# Altium PCB Dahlia Carrier Board.PcbDoc (part 7 of 10)
Units mm, origin at the board's own origin, x right, y up, seen from the top; angles counter-clockwise.
Board outline 120 x 120 mm, 6 copper layers (Top Layer, GND, Layer 1, Layer 2, GND2, Bottom Layer), stack 1.558 mm thick; 879 components, 677 nets, 3194 pads, 1445 vias.
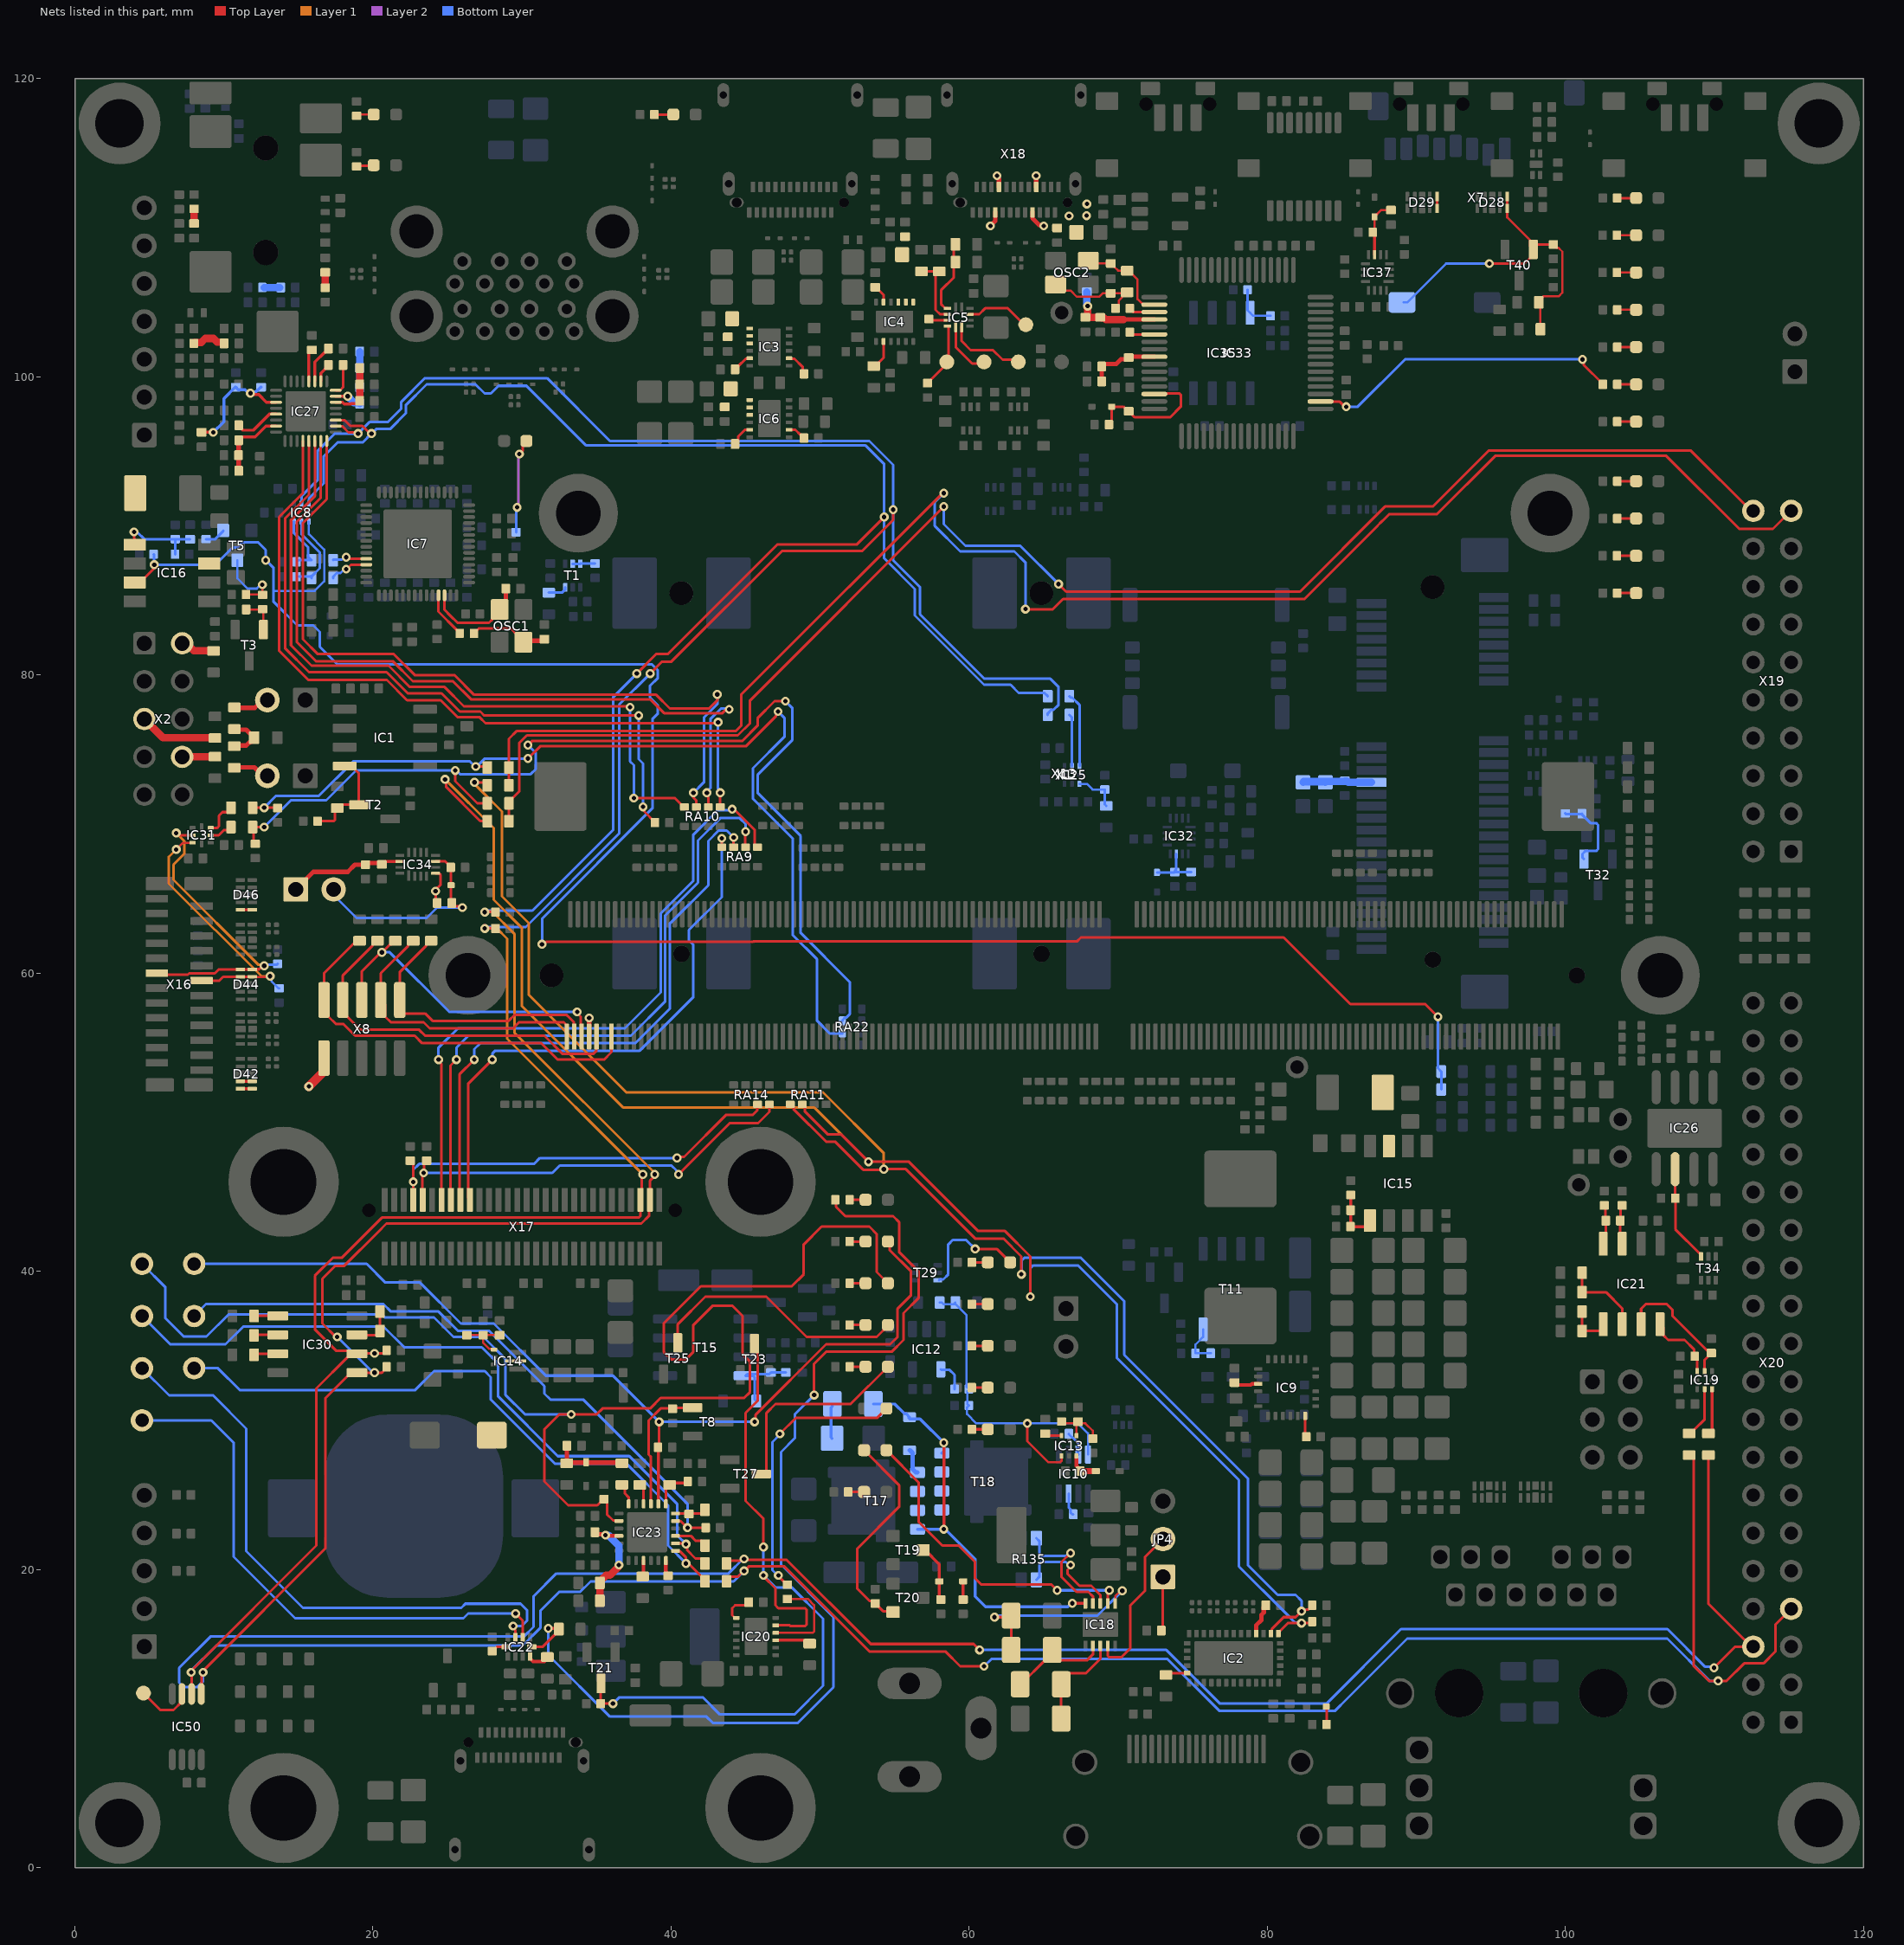
[diagram p11: the nets of this part, all layers, seen from the top]

## Via types
v1: diameter 0.6, hole 0.3, Top Layer to Bottom Layer, tented both sides, 1316 vias
v2: diameter 0.6/0/0/0/0/0.6 (per signal layer), hole 0.3, Top Layer to Bottom Layer, tented both sides, 70 vias
v3: diameter 0.6, hole 0.3, Top Layer to Bottom Layer, 58 vias
v4: diameter 0.6/0.6/0.6/0.6/0.6/0.6 (per signal layer), hole 0.3, Top Layer to Bottom Layer, tented both sides, 1 vias

## Nets (pads, with @x,y where several pads share a name; then routed paths per layer and width w, separated by ;. In a path a pad name is that pad's centre, name@x,y a point inside that pad or via, vN(x,y) a via of type N, cw(c..) or ccw(c..) an arc to the next point about the centre after c; other vN are vias at no path point) (continued)
HUB_PWR_EN: IC8.5 IC16.7 R61.2 R64.2 R110.2 | length 140.6
  Top Layer w0.175: IC16.7@4.016,86.209 4.366,86.209 5.325,87.168 v1(5.325,87.4) ; v1(31.344,61.938) 31.459,61.938 31.616,62.094 45.506,62.094 45.537,62.125 67.225,62.125 67.502,62.402 81.098,62.402 85.577,57.923 90.602,57.923 v1(91.45,57.075)
  Bottom Layer w0.15: 13.314,85.65 16.093,85.65 16.727,86.284 16.727,88.423 15.7,89.45 IC8.5@15.7,90.295
  Bottom Layer w0.175: R110.2@5.28,88.1 5.325,88.055 v1(5.325,87.4) 9.414,87.4 10.562,88.548 10.874,88.548 11.24,88.915 12.277,88.915 12.8,88.391 v1(12.8,87.7) ; v1@12.8,87.725 13.314,87.211 13.314,85.65 13.314,84.936 14.925,83.325 15.991,83.325 16.425,82.891 16.425,81.9 17.615,80.71 38.717,80.71 39.114,80.313 39.114,79.8 38.575,79.26 38.575,78.5 39.114,77.961 39.114,77.415 38.75,77.05 38.75,71.057 31.344,63.651 v1(31.344,61.938) ; v1(91.45,57.075) 91.45,53.625 R61.2@91.675,53.4 R64.2@91.675,52.2
I2C_1_SCL: IC8.2 IC27.2 IC30.6 IC50.2 R117.2 R145.1 R177.1 R210.1 R263.2 X17.6 X20.7 | length 342.5
  Top Layer w0.175: v1(7.8,13.1) v1@7.831,13.131 ; IC50.2@7.831,11.648 v1@7.831,13.131 ; IC27.2@17.5,96.7 17.505,96.695 17.939,96.695 18.353,96.281 18.819,96.281 18.9,96.2 v1(19,96.2) ; v1(20.1,34.5) 20.084,34.484 18.933,34.484 IC30.6@18.917,34.468 IC30.6@18.517,34.468 ; v1@20.132,34.5 20.722,34.5 20.92,34.697 R263.2@20.92,34.7 ; v1(27.5,63) 27.5,63.2 27.7,63 R117.2@28.22,63 ; v1(38.1,46.5) 38.019,46.419 38.019,44.881 X17.6@37.938,44.8 37.938,43.703 37.835,43.6 20.6,43.6 17.9,40.9 17.3,40.9 16.1,39.7 16.1,36.1 17.52,34.68 18.305,34.68 IC30.6@18.517,34.468 ; v1(38.6,80.1) 39.4,80.9 40.025,80.9 47.45,88.325 52.825,88.325 54.9,90.4 v1(54.9,91.1) ; R177.1@43.725,19.2 43.725,19.274 43.962,19.511 44.485,19.511 44.774,19.8 44.815,19.8 44.908,19.892 45.215,20.2 47.6,20.2 53.3,14.5 58.4,14.5 59.4,13.5 v1(61,13.5) ; R145.1@108.3,27.675 108.363,27.675 108.6,27.438 108.6,13.55 109.625,12.525 v1(110.25,12.525) 110.825,12.525 112,13.7 113.3,13.7 114.1,14.5 114.1,16.31 X20.7@115.15,17.36 ; v1@7.831,13.131 7.831,13.231 16.2,21.6 16.2,32.15 18.305,34.255 IC30.6@18.517,34.468
  Layer 1 w0.175: v1(27.5,63) 27.525,63.025 28.288,63.025 29,62.313 29,55.6 v1(38.1,46.5)
  Bottom Layer w0.175: v1@7.8,13.2 9.5,14.9 30.05,14.9 31.225,16.075 31.225,17.225 32.5,18.5 33.9,18.5 34.6,19.2 44.2,19.2 v1(44.9,19.9) ; IC8.2@15.2,91.505 15.2,92 16.3,93.1 16.3,95.05 17.45,96.2 v1(19,96.2) 19.786,96.986 21.013,96.986 21.898,97.87 21.898,98.323 23.489,99.915 31.685,99.915 35.9,95.7 53.3,95.7 54.9,94.1 v1(54.9,91.1) 54.9,87.7 56.7,85.9 56.7,84.073 61.023,79.75 65.45,79.75 66,79.2 66,78 65.662,77.663 65.512,77.663 65.275,77.425 R210.1@65.275,77.325 ; v1(27.5,63) 27.6,63.1 30.25,63.1 36.525,69.375 36.525,78.025 v1(38.6,80.1) ; v1(61,13.5) 61.5,14 73.3,14 76.8,10.5 84.53,10.5 85.39,11.36 89.39,15.36 106.84,15.36 109.675,12.525 v1(110.25,12.525)
I2C_1_SDA: IC8.3 IC27.3 IC30.5 IC50.1 R88.2 R146.1 R180.1 R211.1 R264.2 X17.4 X20.6 | length 337.5
  Top Layer w0.175: IC50.1@8.481,11.648 8.5,11.667 8.5,12.885 8.6,12.985 v1(8.6,13.1) 8.6,13.2 16.8,21.4 16.8,31.48 18.305,32.985 18.517,33.198 IC30.5@18.917,33.198 18.92,33.2 v1(20.1,33.2) 20.59,33.2 20.722,33.333 20.722,33.403 R264.2@20.92,33.6 ; IC27.3@17.5,97.1 17.505,97.095 18.105,97.095 18.486,96.714 19.286,96.714 19.8,96.2 v1(19.9,96.2) ; v1@17.55,35.55 16.6,36.5 16.6,39.5 17.45,40.35 18.05,40.35 20.3,42.6 20.9,43.2 38,43.2 38.537,43.737 38.537,44.8 38.573,44.835 38.573,46.057 38.9,46.385 v1(38.9,46.5) ; v1@17.6,35.5 v1(17.6,35.6) ; v1(27.5,64.1) R88.2@28.22,64.1 ; v1(37.7,80.1) 39.025,81.425 39.8,81.425 47.125,88.75 52.45,88.75 v1(54.3,90.6) ; X17.4@38.573,44.8 38.679,44.907 X17.4@38.679,45.507 ; R180.1@43.725,20.4 43.925,20.6 44.685,20.6 44.735,20.65 47.75,20.65 53.4,15 60.3,15 v1(60.7,14.6) ; R146.1@109.6,27.675 109.6,17.7 X20.6@112.48,14.82 ; v1(109.975,13.4) 111.395,14.82 X20.6@112.48,14.82 ; X20.6@112.61,14.82 X20.6@112.48,14.82
  Layer 1 w0.175: v1(27.5,64.1) 27.544,64.144 27.981,64.144 29.487,62.637 29.487,56.013 38.9,46.6 v1(38.9,46.5)
  Bottom Layer w0.175: v1(8.6,13.1) 8.6,12.5 8.2,12.1 7.3,12.1 7,12.4 7,13.4 9.1,15.5 30.125,15.5 30.775,16.15 30.775,18.2 32.3,19.725 43.85,19.725 44.825,20.7 v1(44.9,20.7) ; IC8.3@15.7,91.505 15.7,91.85 16.698,92.848 16.698,94.673 17.625,95.6 19.3,95.6 v1(19.9,96.2) 19.915,96.2 20.215,96.5 21.15,96.5 22.2,97.55 22.2,98.1 23.6,99.5 26.872,99.5 27.487,98.886 27.913,98.886 28.428,99.4 30.3,99.4 34.302,95.398 53.052,95.398 54.3,94.15 v1(54.3,90.6) 54.3,87.825 56.35,85.775 56.35,83.996 60.996,79.35 62.775,79.35 63.325,78.8 65.05,78.8 R211.1@65.275,78.575 ; v1(17.6,35.6) 20,33.2 v1(20.1,33.2) ; v1(27.5,64.1) 27.6,64.2 30.7,64.2 36.125,69.625 36.125,78.525 v1(37.7,80.1) ; v1(60.7,14.6) 73.23,14.6 76.83,11 83.975,11 88.975,16 106.85,16 109.385,13.465 109.91,13.465 v1(109.975,13.4)
I2C_1_USBH_SMCLK: IC7.38 R42.2 | length 2.4
  Top Layer w0.175: v1(18.2,87.9) 18.315,87.9 18.415,87.8 IC7.38@19.55,87.8
  Bottom Layer w0.175: R42.2@17.325,87.7 17.325,87.738 17.922,87.738 18.085,87.9 v1(18.2,87.9)
I2C_1_USBH_SMDAT: IC7.39 R45.2 | length 2.7
  Top Layer w0.175: v1(18.2,87.1) 18.215,87.1 18.515,87.4 IC7.39@19.55,87.4
  Bottom Layer w0.175: R45.2@17.325,86.5 17.325,86.6 17.562,86.837 17.822,86.837 18.085,87.1 v1(18.2,87.1)
I2C_2_DSI_SCL: R290.2 RA14.5 X17.52 | length 29.1
  Top Layer w0.175: X17.52@23.3,44.673 23.3,46.285 23.319,46.304 23.319,46.506 v1@23.225,46.6 ; v1(23.4,46.6) v1@23.225,46.6 ; R290.2@23.6,47.42 23.437,47.258 23.437,46.813 v1@23.225,46.6 ; v1(40.5,46.5) 43.937,49.937 45.837,49.937 46.6,50.7 RA14.5@46.6,51.2
  Bottom Layer w0.175: v1(23.4,46.6) 32.034,46.6 32.534,47.1 40.028,47.1 40.354,46.773 40.354,46.761 40.5,46.615 v1(40.5,46.5)
I2C_2_DSI_SDA: R289.2 RA14.6 X17.54 | length 28.8
  Top Layer w0.175: R289.2@22.5,47.42 22.503,47.42 22.7,47.223 v1(22.7,46) v1(22.7,46) X17.54@22.699,44.707 ; v1(40.4,47.6) 40.481,47.681 40.881,47.681 43.7,50.5 45.5,50.5 45.79,50.79 45.79,51.19 RA14.6@45.8,51.2
  Bottom Layer w0.175: v1(22.7,46) 22.7,46.8 23.1,47.2 30.8,47.2 31.2,47.6 v1(40.4,47.6)
I2C_3_HDMI_SCL: IC2.36 R346.2 R347.2 RA11.7 | length 109.8
  Top Layer w0.175: v1(24.84,73) 24.921,72.919 24.921,72.479 27.19,70.21 27.665,70.21 R346.2@27.675,70.2 ; RA11.7@48.8,51.2 48.964,51.037 48.964,50.736 50.5,49.2 51.4,49.2 v1@53.2,47.4 ; v1(53.25,47.35) 53.264,47.365 55.936,47.365 60.6,42.7 62.4,42.7 64.1,41 v1(64.1,38.3) ; IC2.36@80.775,15.7 80.775,15.8 80.837,15.862 81.375,16.4 v1(82.3,16.4) 82.92,16.4 R347.2@83.02,16.5
  Layer 1 w0.175: v1(24.84,73) 28.1,69.74 28.1,64.924 30,63.024 30,57.775 36.8,50.975 49.625,50.975 v1(53.25,47.35)
  Bottom Layer w0.175: v1(64.1,38.3) 64.1,40.2 64.3,40.4 67.3,40.4 69.9,37.8 69.9,34.2 78.1,26 78.1,20.2 81.215,17.086 81.877,16.423 82.277,16.423 v1(82.3,16.4)
I2C_3_HDMI_SDA: IC2.1 R345.2 R348.2 RA11.8 | length 106.6
  Top Layer w0.175: v1(26.811,72.804) 27.471,72.804 R345.2@27.675,72.6 ; RA11.8@48,51.2 48.05,51.2 48.212,51.037 48.212,50.888 50.4,48.7 51,48.7 52.887,46.813 54.275,46.813 v1(54.275,46.85) ; v1@54.312,46.85 55.75,46.85 60.4,42.2 62.3,42.2 63.5,41 63.5,40.015 63.715,39.8 v1(63.5,39.8) ; IC2.1@80.25,15.7 80.312,15.762 80.312,16.013 81.1,16.8 81.9,16.8 v1(82.3,17.2) 82.381,17.281 82.596,17.281 82.615,17.3 82.745,17.3 83.02,17.575 R348.2@83.02,17.6
  Layer 1 w0.175: v1(26.811,72.804) 26.811,72.689 28.65,70.85 28.65,65.16 30.451,63.359 30.451,58.549 37,52 50.2,52 54.275,47.925 v1(54.275,46.85)
  Bottom Layer w0.175: v1(63.5,39.8) 63.523,39.823 63.523,40.723 63.7,40.9 67.5,40.9 70.4,38 70.4,34.4 78.7,26.1 78.7,20.3 80.7,18.3 81.9,18.3 82.3,17.9 v1(82.3,17.2)
I2C_4_CSI_CON_SCL: D44.2 D44.9 IC31.7 R272.1 X16.13 | length 19
  Top Layer w0.15: v1(6.8,68.3) 7.25,68.75 IC31.7@7.895,68.75 ; D44.9@11.9,59.75 12.828,59.75 12.978,59.9 13.078,59.8 v1(13.1,59.8)
  Top Layer w0.175: X16.13@8.5,59.5 9.7,59.5 9.95,59.75 D44.2@11.1,59.75 D44.9@11.9,59.75
  Layer 1 w0.15: v1(6.8,68.3) 6.3,67.8 6.3,66 12.5,59.8 v1(13.1,59.8)
  Bottom Layer w0.15: v1(13.1,59.8) 13.186,59.714 13.186,59.469 13.675,58.98 R272.1@13.7,58.98
I2C_4_CSI_CON_SDA: D44.1 D44.10 IC31.6 R273.1 X16.14 | length 21.7
  Top Layer w0.175: X16.14@5.5,60 5.71,60 5.81,59.9 7.582,59.9 7.669,59.987 9.387,59.987 9.65,60.25 D44.1@11.1,60.25 D44.10@11.9,60.25 11.913,60.262 12.362,60.262 12.6,60.5 v1(12.7,60.5) ; v1(6.8,69.4) 6.915,69.4 7.065,69.25 IC31.6@7.895,69.25
  Layer 1 w0.175: v1(6.8,69.4) 7.337,68.863 7.337,68.013 6.612,67.288 6.612,66.263 12.315,60.56 12.639,60.56 v1(12.7,60.5)
  Bottom Layer w0.175: v1(12.7,60.5) 12.76,60.56 13.54,60.56 R273.1@13.6,60.62
I2C_4_CSI_SCL: R271.2 R274.2 R344.2 RA22.6 | length 71.5
  Top Layer w0.175: R274.2@11.925,69.8 R274.2@12,69.8 ; R271.2@12.1,68.68 12,68.78 R274.2@12,69.8 ; v1(12.7,69.8) R274.2@12,69.8 ; v1(25.52,73.597) 25.52,72.88 27,71.4 R344.2@27.675,71.4 ; v1(30.4,75.3) 30.665,75.565 44.763,75.565 45.8,76.602 45.8,77.1 46.948,78.248 47.673,78.248 v1(47.675,78.25)
  Bottom Layer w0.175: v1(12.7,69.8) 14.498,71.598 16.87,71.598 18.87,73.597 v1(25.52,73.597) ; v1@25.525,73.625 25.56,73.625 25.835,73.35 30.582,73.35 30.914,73.683 30.914,74.786 v1(30.4,75.3) ; v1(47.675,78.25) 48.125,77.8 48.125,75.625 45.825,73.325 45.825,72.075 48.7,69.2 48.7,62.7 51.987,59.413 51.987,57.246 51.754,57.013 51.662,57.013 51.5,56.85 RA22.6@51.5,56.8
I2C_4_CSI_SDA: R270.2 R275.2 R343.2 RA22.7 | length 65.6
  Top Layer w0.175: R275.2@11.925,71.1 v1(12.7,71.1) 13.58,71.1 R270.2@13.6,71.08 ; v1(26.9,73.865) 27.61,73.865 R343.2@27.675,73.8 ; v1(30.4,74.4) 31.219,75.219 45.019,75.219 47.04,77.24 47.04,77.3 47.175,77.435 v1(47.175,77.55)
  Bottom Layer w0.175: v1(12.7,71.1) 13.5,71.9 16.375,71.9 18.675,74.2 26.5,74.2 26.835,73.865 v1(26.9,73.865) ; v1@26.981,73.881 27.5,74.4 v1(30.4,74.4) ; v1(47.175,77.55) 47.6,77.125 47.6,75.852 45.5,73.752 45.5,71.7 48.152,69.048 48.152,62.573 49.798,60.927 49.798,56.802 50.65,55.95 RA22.7@51.5,55.95
I2C_EXT_SCL: R344.1 R346.1 X19.20 | length 104.4
  Top Layer w0.175: R346.1@29.125,70.2 29.125,71.5 29.829,72.204 29.829,75.456 30.328,75.956 44.483,75.956 45.3,76.773 45.3,78.3 v1(58.3,91.3) ; v1(66,86.1) 66.5,85.6 82.2,85.6 87.9,91.3 91.1,91.3 94.85,95.05 108.425,95.05 112.455,91.02 X19.20@112.61,91.02
  Bottom Layer w0.175: v1(58.3,91.3) 58.3,90.125 59.75,88.675 63.425,88.675 v1(66,86.1)
I2C_EXT_SDA: R343.1 R345.1 X19.19 | length 111.2
  Top Layer w0.175: R345.1@29.125,72.6 R343.1@29.125,73.8 29.125,75.725 29.658,76.258 44.358,76.258 44.7,76.6 44.7,78.682 45.238,79.219 45.539,79.521 58.218,92.2 v1(58.3,92.2) ; v1(63.775,84.425) 63.8,84.4 65.6,84.4 66.3,85.1 82.5,85.1 87.385,89.986 87.385,90.013 87.687,90.315 87.714,90.315 88.2,90.8 91.4,90.8 95.3,94.7 106.775,94.7 111.675,89.8 113.93,89.8 X19.19@115.15,91.02
  Bottom Layer w0.175: v1(58.3,92.2) 57.7,91.6 57.7,90 59.4,88.3 63.031,88.3 63.775,87.556 v1(63.775,84.425)
I2S_1_BCLK: IC27.29 R104.2 | length 47.8
  Top Layer w0.175: IC27.29@15.7,95.7 15.7,92.1 14.1,90.5 14.1,81.8 15.7,80.2 20.911,80.2 22.336,78.775 24.6,78.775 25.825,77.55 27.2,77.55 27.468,77.282 v1(37.83,77.282) ; v1(38.121,71.156) 38.203,71.074 38.203,70.842 38.92,70.125 R104.2@38.92,70.1
  Bottom Layer w0.175: v1(37.83,77.282) 37.83,74.364 38.121,74.073 v1(38.121,71.156)
I2S_1_D_IN: IC27.31 RA10.7 | length 53.1
  Top Layer w0.175: IC27.31@16.5,95.7 16.5,91.9 14.9,90.3 14.9,82.2 16.173,80.927 21.327,80.927 22.668,79.587 25.363,79.587 26.577,78.373 38.605,78.373 39.53,77.448 43.448,77.448 43.9,77.9 v1(43.9,77.7) ; v1(42.4,72.1) 42.481,72.019 42.481,71.818 42.5,71.8 RA10.7@42.5,71.15
  Bottom Layer w0.175: v1(42.4,72.1) 42.4,72.174 42.641,72.415 42.641,76.619 42.641,77.045 43.344,77.748 v1@43.852,77.748
I2S_1_D_OUT: IC27.32 RA10.6 | length 52.6
  Top Layer w0.175: IC27.32@16.9,95.7 16.9,91.8 15.3,90.2 15.3,82.4 16.3,81.4 21.4,81.4 22.8,80 25.464,80 26.789,78.675 39,78.675 39.925,77.75 42.55,77.75 43.1,78.3 v1(43.1,78.7) ; v1(41.5,72.1) 41.5,71.826 41.475,71.801 41.7,71.576 RA10.6@41.7,71.15
  Bottom Layer w0.175: v1(41.5,72.1) 42.2,72.8 42.2,77.152 43.1,78.052 v1(43.1,78.7)
I2S_1_MCLK: IC27.28 RA10.8 | length 52.2
  Top Layer w0.175: IC27.28@15.3,95.7 15.3,92.2 13.7,90.6 13.7,81.625 15.657,79.668 20.93,79.668 22.287,78.31 24.543,78.31 25.691,77.162 27.16,77.162 27.555,76.768 43.091,76.768 v1(43.155,76.832) ; RA10.8@43.3,71.15 43.4,71.25 43.3,71.35 v1(43.3,72.1)
  Bottom Layer w0.175: v1(43.155,76.832) 43.155,72.397 43.4,72.152 43.347,72.1 v1(43.3,72.1)
I2S_1_SYNC: IC27.30 RA10.5 | length 48.7
  Top Layer w0.175: IC27.30@16.1,95.7 16.1,92 14.5,90.4 14.5,82 15.875,80.625 21.05,80.625 22.475,79.2 24.8,79.2 26.1,77.9 37.191,77.9 v1(37.25,77.841) ; v1(37.503,71.743) 40.258,71.743 40.85,71.15 RA10.5@40.9,71.15
  Bottom Layer w0.175: v1(37.25,77.841) 37.25,74.2 37.503,73.947 v1(37.503,71.743)
I2S_2_BCLK: RA9.5 X17.42 | length 37.9
  Top Layer w0.175: X17.42@26.508,44.8 26.4,44.907 26.4,47.945 26.398,47.947 26.398,48.853 26.4,48.855 26.4,52.6 v1(28,54.2) ; RA9.5@43.4,68.45 v1(43.4,69.05)
  Bottom Layer w0.175: v1(28,54.2) 28.023,54.223 28.023,54.623 28.2,54.8 37.9,54.8 41.5,58.4 41.5,61.9 41.2,62.2 41.2,62.9 43.4,65.1 v1(43.4,69.05)
I2S_2_D_IN: RA9.8 X17.48 | length 44.9
  Top Layer w0.175: v1(24.4,54.2) 24.4,54.085 24.6,53.885 X17.48@24.6,44.811 ; v1(44.1,71) 44.181,70.919 44.309,70.919 45.613,69.615 45.613,68.613 45.775,68.45 RA9.8@45.8,68.45
  Bottom Layer w0.175: v1(24.4,54.2) 24.4,55 25.7,56.3 36.9,56.3 39.308,58.708 39.308,64.004 41.5,66.196 41.5,69.3 43.119,70.919 44.019,70.919 v1(44.1,71)
I2S_2_D_OUT: RA9.7 X17.46 | length 43
  Top Layer w0.175: X17.46@25.2,44.786 25.2,53.8 v1(25.6,54.2) ; v1@44.975,69.6 44.975,68.475 RA9.7@45,68.45
  Bottom Layer w0.175: v1(25.6,54.2) 25.6,55 26.4,55.8 37.3,55.8 39.61,58.111 39.61,63.879 41.802,66.071 41.802,68.902 43.3,70.4 44.6,70.4 45,70 v1(45,69.5)
I2S_2_SYNC: RA9.6 X17.44 | length 40
  Top Layer w0.175: X17.44@25.911,44.808 25.8,44.919 25.8,53.2 v1(26.8,54.2) ; RA9.6@44.2,68.45 v1(44.2,69.1)
  Bottom Layer w0.175: v1(26.8,54.2) 26.8,54.9 27.2,55.3 37.6,55.3 39.913,57.613 39.913,63.313 42.5,65.9 42.5,68.878 43.187,69.564 43.736,69.564 v1(44.2,69.1)
JTAG_1_TCK: R129.2 X1.9 X8.4 | length 25
  Top Layer w0.175: R129.2@20.3,62.175 20.2,62.175 19.962,61.938 19.962,61.838 17.98,59.855 X8.4@17.98,58.2 17.98,57.38 19.16,56.2 23.1,56.2 23.5,55.8 31.5,55.8 32.7,54.6 34.8,54.6 34.972,54.772 34.972,55.722 X1.9@35,55.75
JTAG_1_TDI: R130.2 X1.1 X8.8 | length 19.7
  Top Layer w0.175: R130.2@22.7,62.175 22.6,62.175 22.362,61.938 22.362,61.838 20.52,59.995 X8.8@20.52,58.2 20.813,57.907 20.813,57.087 21.2,56.7 23.4,56.7 23.8,56.3 29.4,56.3 29.8,56.7 32.8,56.7 32.938,56.562 32.938,55.812 X1.1@33,55.75
JTAG_1_TDO: R131.2 X1.5 X8.6 | length 21.5
  Top Layer w0.175: X8.6@19.25,58.2 19.25,60.125 v1@20.562,61.437 ; v1(20.6,61.4) v1@20.562,61.437 ; R131.2@21.5,62.175 21.262,61.938 21.148,61.938 21.003,61.792 20.648,61.437 v1@20.562,61.437 ; v1@33.781,57.366 33.781,57.241 33.938,57.085 33.938,55.812 X1.5@34,55.75
  Bottom Layer w0.175: v1(20.6,61.4) 21.125,61.4 25.125,57.4 v1(33.7,57.4)
JTAG_1_TMS: R132.2 X1.13 X8.2 | length 27.8
  Top Layer w0.175: R132.2@19.1,62.175 19.05,62.225 18.95,62.225 16.71,59.985 16.71,57.38 17.003,57.088 17.013,57.088 17.5,56.6 18,56.6 18.8,55.8 22.8,55.8 23.3,55.3 31.3,55.3 32.4,54.2 35.5,54.2 36,54.7 X1.13@36,55.75
JTAG_1_TRST#: R133.2 X1.3 X8.10 | length 18.9
  Top Layer w0.175: R133.2@23.9,62.175 23.8,62.175 23.562,61.938 23.562,61.838 21.79,60.065 21.79,57.593 22.083,57.3 23.5,57.3 24,56.8 29.1,56.8 29.5,57.2 32.972,57.2 32.987,57.186 33.015,57.186 33.474,56.726 33.474,55.776 X1.3@33.5,55.75
JTAG_1_VREF: C214.2 C217.2 IC34.5 IC34.14 JP6.1 R300.2 X1.7 X8.1 | length 13.9
  Top Layer w0.175: v1(24.2,65.5) 24.2,65.6 24.54,65.94 24.54,66.585 24.438,66.687 24.212,66.687 IC34.5@24.2,66.7 ; v1@24.209,65.489 24.209,64.801 C217.2@24.31,64.7
  Top Layer w0.2: C214.2@20.6,67.29 20.64,67.29 20.83,67.48 20.927,67.48 20.947,67.5 IC34.14@21.8,67.5
  Top Layer w0.3: JP6.1@14.82,65.62 16,66.8 18.3,66.8 18.78,67.28 R300.2@19.5,67.28 19.61,67.39 20.5,67.39 C214.2@20.6,67.29 ; X1.7@34.5,55.75 v1(34.5,57)
  Top Layer w0.6: v1(15.7,52.4) 16.63,53.33 16.63,54.22 X8.1@16.71,54.3
KILL#: IC10.8 IC13.1 R67.1 R74.1 R76.2 R247.2 | length 23.6
  Top Layer w0.15: v1(63.9,29.8) 63.9,28.6 65.3,27.2 66.112,27.2 66.2,27.288 IC13.1@66.2,27.625
  Bottom Layer w0.15: R247.2@58.025,37.9 58.172,37.9 58.272,37.8 58.975,37.8 R67.1@59.025,37.85 ; R67.1@59.075,37.9 59.075,37.8 59.827,37.048 59.827,32.253 R76.2@59.98,32.1 59.98,32.054 59.88,31.954 59.88,31.1 R74.1@59.98,31 59.858,30.878 59.858,30.422 60.48,29.8 v1(63.9,29.8) 67.3,29.8 67.975,29.125 IC10.8@67.975,27.71
NetC6_2: C6.2 R4.1 R5.1 | length 3.2
  Top Layer w0.3: R4.1@10.7,75.225 10.8,75.225 10.849,75.274 11.499,75.274 11.75,75.525 11.825,75.525 12.025,75.725 C6.2@12.025,75.8 12.025,75.875 11.825,76.075 11.75,76.075 11.499,76.326 10.849,76.326 10.8,76.375 R5.1@10.7,76.375
NetC11_2: C11.2 IC4.1 IC4.2 IC4.3 L1.1
NetC15_2: C15.2 IC4.5 | length 1.2
  Top Layer w0.175: C15.2@53.7,106.01 53.902,105.808 53.95,105.808 54.25,105.508 IC4.5@54.25,105.02
NetC19_2: C19.2 IC6.1 IC6.2 IC6.3 L4.1
NetC24_2: C24.2 IC3.1 IC3.2 IC3.3 L13.1
NetC35_1: C35.1 OSC1.3 R53.1 | length 5.9
  Top Layer w0.15: R53.1@26.78,82.8 26.78,82.825 26.99,83.035 27.015,83.035 27.105,83.125 29.225,83.125 29.525,82.825 29.551,82.825 29.962,82.414 29.962,82.038 OSC1.3@30.15,81.85
  Top Layer w0.175: OSC1.3@30.1,81.8 OSC1.3@30.6,82.3 ; C35.1@31.39,82.3 C35.1@31.5,82.41
  Top Layer w0.3: OSC1.3@30.6,82.3 C35.1@31.39,82.3
NetC37_1: C37.1 IC7.54 OSC1.1 | length 7
  Top Layer w0.175: IC7.54@24.8,85.35 24.8,84.372 25.187,83.986 25.672,83.5 27.785,83.5 28.008,83.723 28.008,83.79 28.218,84 OSC1.1@28.5,84
  Top Layer w0.3: OSC1.1@28.5,84 28.91,84.41 C37.1@28.91,85.5
NetC57_2: C57.2 IC14.4 R90.1 R91.2 | length 3.8
  Top Layer w0.15: R91.2@26.3,35.72 R90.1@27.4,35.72 ; IC14.4@28.12,34.751 28.082,34.789 27.811,34.789 27.402,35.198 27.402,35.718 R90.1@27.4,35.72 ; C57.2@28.5,35.71 28.59,35.71 28.58,35.72 28.5,35.72 R90.1@27.4,35.72
NetC60_1: C60.1 R59.1 T3.1 | length 2.5
  Top Layer w0.15: C60.1@11.49,84.4 R59.1@12.62,84.4 ; R59.1@12.6,84.42 12.65,84.37 12.65,84.145 T3.1@12.65,83.05
NetC64_2: C64.2 IC9.20 | length 1.7
  Top Layer w0.25: C64.2@77.8,32.535 77.946,32.389 77.946,32.375 78.9,32.375 78.975,32.45 79.202,32.45 IC9.20@79.4,32.45
NetC73_2: C73.2 IC10.3 | length 1.6
  Bottom Layer w0.175: IC10.3@66.675,25.09 66.675,24.155 66.816,24.014 66.816,23.803 66.919,23.7 C73.2@66.99,23.7
NetC74_2: C74.2 IC10.7 | length 1.7
  Bottom Layer w0.175: C74.2@66.69,29.1 66.69,29.06 66.892,28.857 66.932,28.857 67.31,28.48 67.31,27.725 IC10.7@67.325,27.71
NetC78_2: C78.2 IC13.4 R82.1 R85.2 | length 3.6
  Top Layer w0.15: R85.2@66.2,29.92 66.217,29.92 66.337,29.8 67.2,29.8 IC13.4@67.2,28.975 ; C78.2@67.3,29.91 67.41,29.8 67.8,29.8 68.3,29.3 R82.1@68.3,28.78
NetC79_2: C79.2 D20.C IC13.3 | length 2.2
  Top Layer w0.25: IC13.3@67.2,27.625 67.2,26.951 67.275,26.876 67.275,26.765 C79.2@67.44,26.6
  Top Layer w0.4: C79.2@67.44,26.6 D20.C@68.5,26.6
NetC80_2: C80.2 IC13.5 | length 1.2
  Top Layer w0.175: C80.2@65.1,29.11 65.159,29.11 65.294,28.975 IC13.5@66.2,28.975
NetC88_1: C88.1 IC15.5 R99.1 R100.2 | length 3.7
  Top Layer w0.2: R100.2@85.6,45.12 85.6,44.1 85.6,43.02 R99.1@85.58,43 86.57,43 86.895,43.325 IC15.5@86.895,43.4
NetC91_1: C91.1 IC16.5 R106.1 R107.2 | length 6
  Top Layer w0.175: v1(3.97,89.605) 3.97,89.161 4.199,88.932 IC16.5@4.016,88.749
  Bottom Layer w0.175: v1(3.97,89.605) 4.16,89.605 4.651,89.114 R106.1@6.734,89.114 ; R107.2@6.72,88.1 6.734,88.114 R106.1@6.734,89.114 ; C91.1@7.734,89.104 6.744,89.104 R106.1@6.734,89.114
NetC92_1: C92.1 R114.2 T11.4 | length 2.8
  Bottom Layer w0.15: T11.4@75.695,36.1 75.695,35.6 75.18,35.085 R114.2@75.18,34.5 C92.1@76.21,34.5
NetC94_1: C94.1 D27.2 R123.2 T15.4 | length 5.1
  Bottom Layer w0.175: D27.2@45.715,31.3 45.6,31.415 45.6,32.9 45.505,32.995 T15.4@45,32.995 45.105,33.1 46.59,33.1 C94.1@46.7,33.21 ; C94.1@46.71,33.22 R123.2@47.7,33.22
NetC104_2: C104.2 R136.1 | length 2.4
  Bottom Layer w0.2: C104.2@50.803,28.8 50.725,28.878 50.725,30.852 50.825,30.952 R136.1@50.825,31.1